# Altium PCB FPGA1.PcbDoc (part 4 of 5)
Units mm, origin at the board's own origin, x right, y up, seen from the top; angles counter-clockwise.
Board outline 170.31 x 110.11 mm, 2 copper layers (Top Layer, Bottom Layer); 219 components, 292 nets, 1138 pads, 447 vias.
Unrouted connection lines stored in the file: 389.
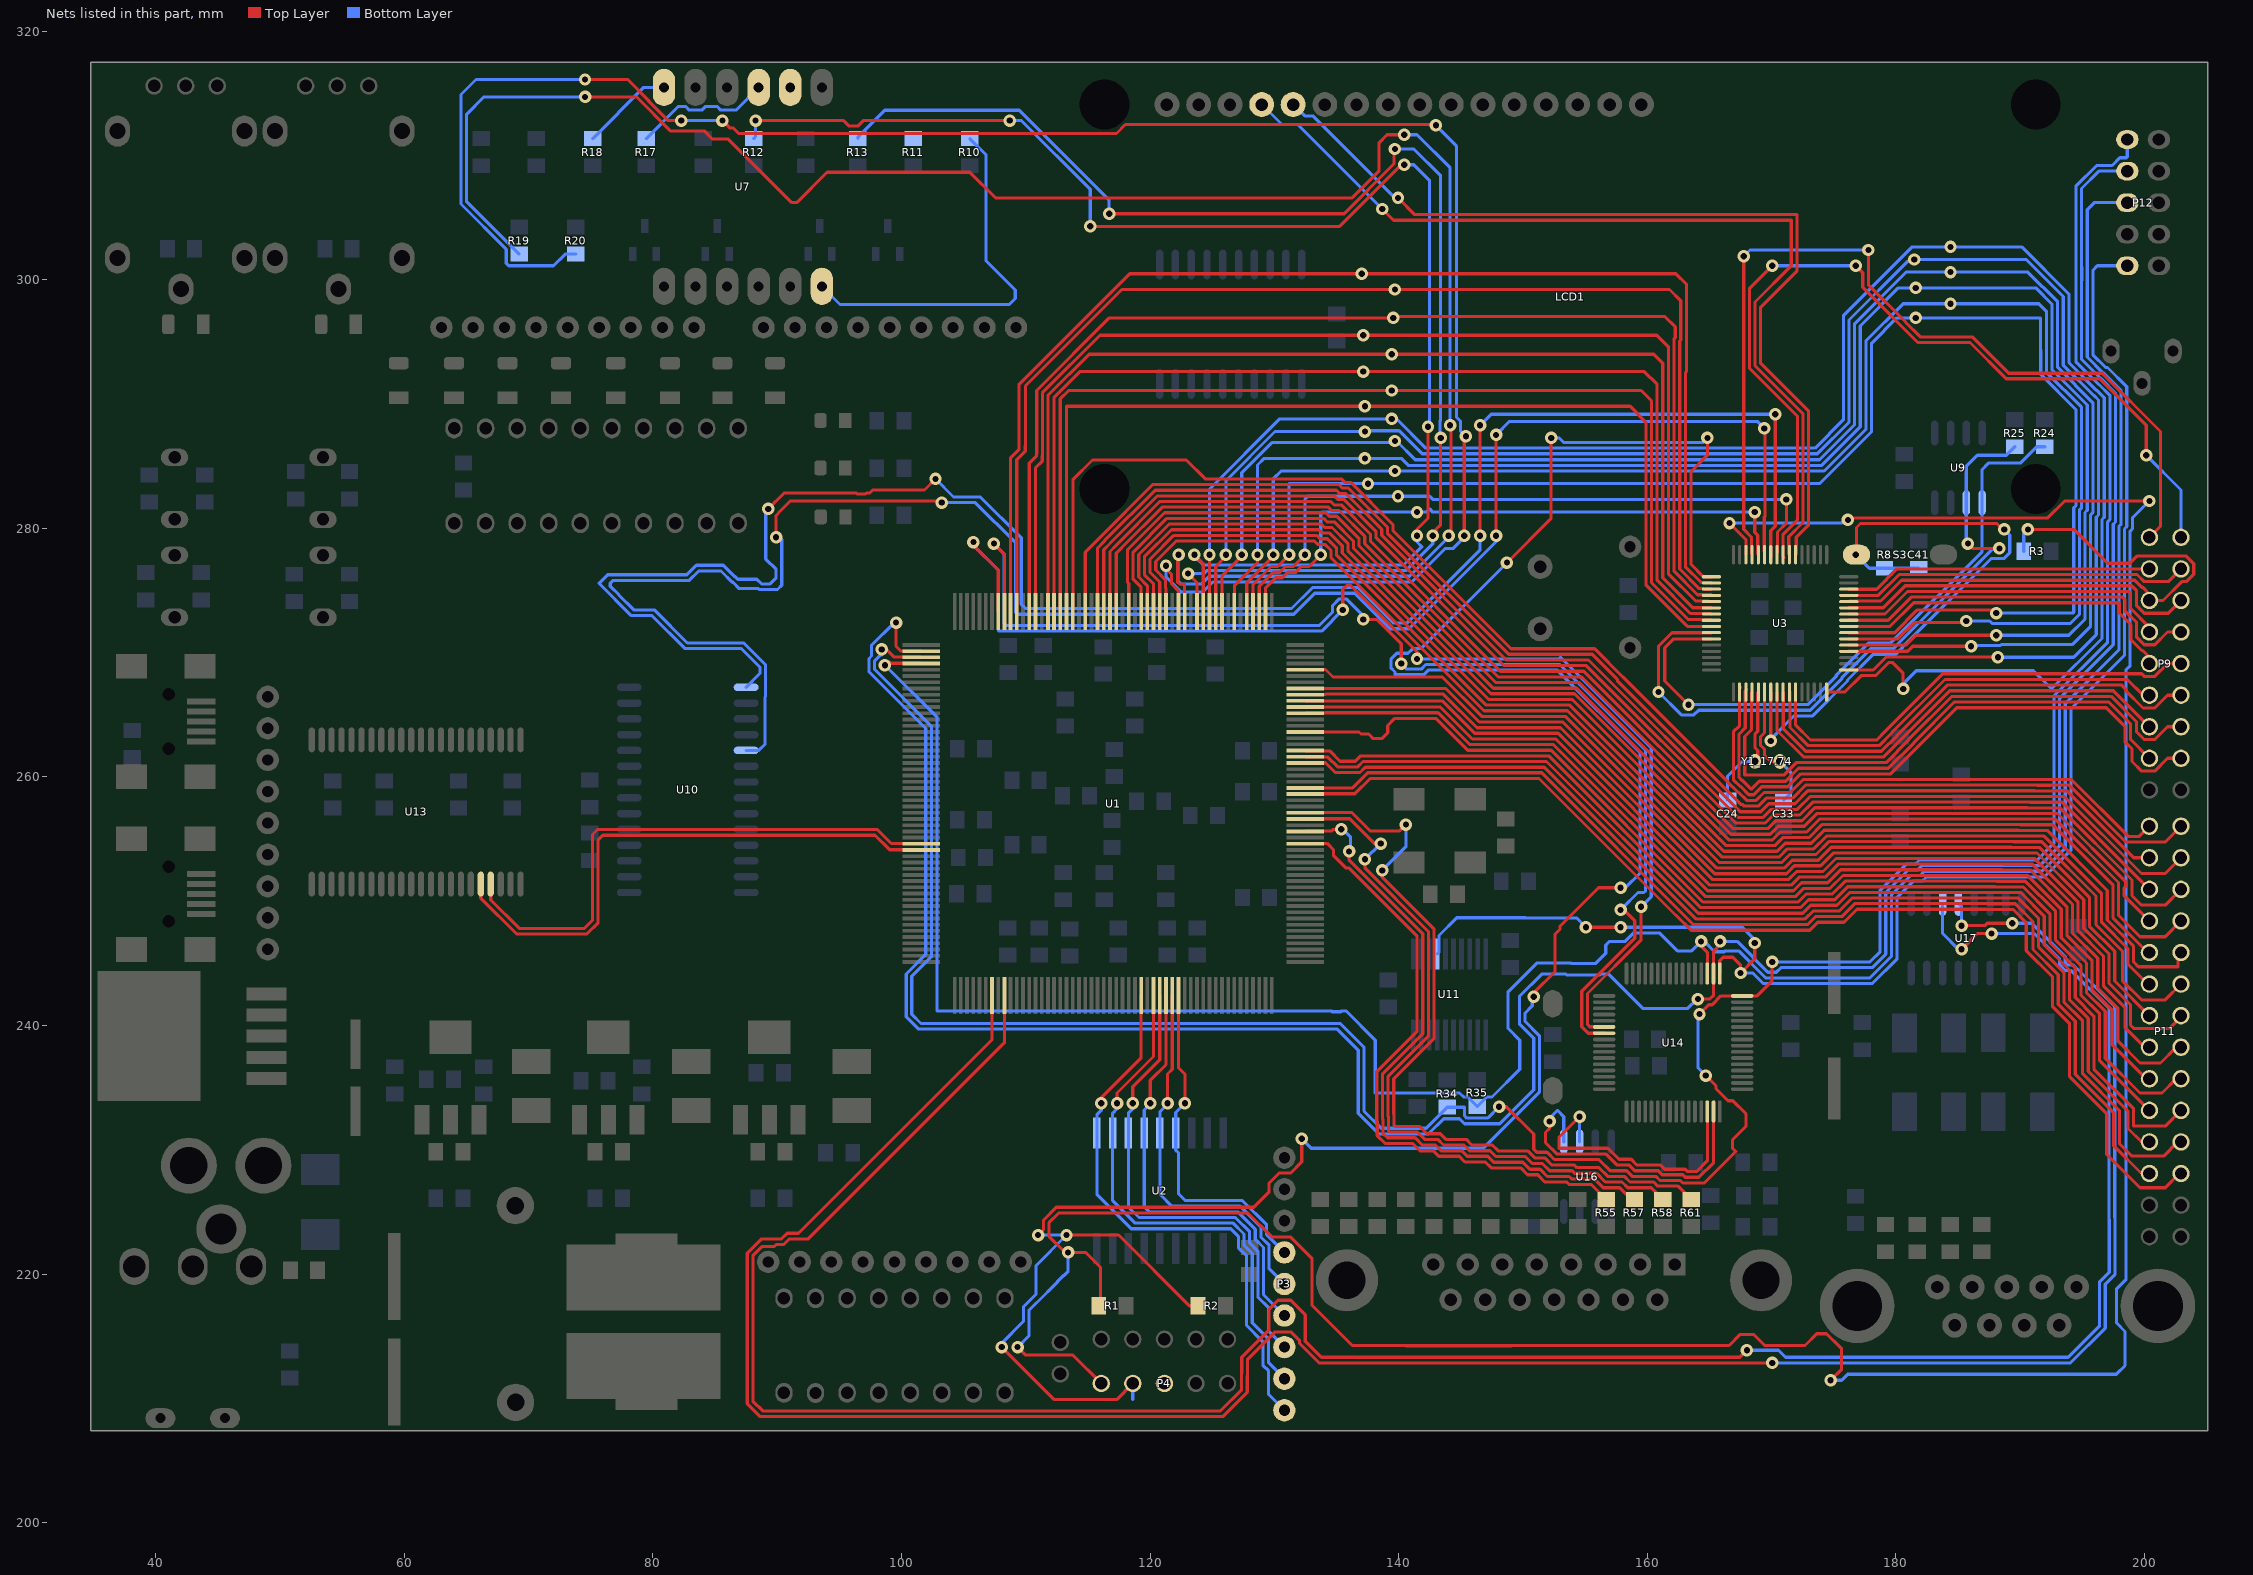
[diagram p4: the nets of this part, all layers, seen from the top]

## Via types
v1: diameter 1, hole 0.5, Top Layer to Bottom Layer, 447 vias

## Nets (pads, with @x,y where several pads share a name; then routed paths per layer and width w, separated by ;. In a path a pad name is that pad's centre, name@x,y a point inside that pad or via, vN(x,y) a via of type N, cw(c..) or ccw(c..) an arc to the next point about the centre after c; other vN are vias at no path point) (continued)
NetU14_62: U14.62 U16.2 | length 22.3
  Top Layer w0.254: v1(154.559,232.664) 152.908,231.013 152.908,230.124 156.845,230.124 157.734,229.235 158.709,229.235 159.179,228.765 161.077,228.765 161.404,228.438 163.048,228.438 163.248,228.238 163.969,228.238 164.84,229.109 U14.62@164.84,233.079
  Bottom Layer w0.254: U16.2@154.559,230.638 v1(154.559,232.664)
NetU14_63: U14.63 U16.1 | length 25
  Top Layer w0.254: v1(152.146,232.283) 152.146,231.721 151.819,231.394 151.819,230.571 152.72,229.67 156.657,229.67 157.546,228.781 158.521,228.781 158.991,228.311 160.889,228.311 161.216,227.984 162.86,227.984 163.06,227.784 164.157,227.784 165.34,228.967 U14.63@165.34,233.079
  Bottom Layer w0.254: v1(152.146,232.283) 152.146,232.537 152.781,233.172 153.289,232.664 U16.1@153.289,230.638
NRST: C41.2 P4.3 R8.1 S3.2 U3.7 | length 51.9
  Top Layer w0.254: v1@169.942,262.493 U3.7@169.942,266.826 ; S3.2@176.84,277.876 176.84,280.059 177.165,280.384 188.119,280.384 188.595,279.908 v1(188.722,279.908)
  Bottom Layer w0.254: v1(169.942,262.89) 169.942,263.033 171.812,264.903 173.305,264.903 176.114,267.712 176.114,267.794 178.176,269.856 179.993,269.856 180.524,270.388 180.524,270.423 187.658,277.557 188.684,277.557 189.168,278.041 189.168,279.462 v1(188.722,279.908) ; v1(176.784,277.876) 177.876,276.784 R8.1@179.095,276.784 C41.2@181.839,276.784
OE: U1.189 U13.41 | length 44.7
  Top Layer w0.254: U13.41@66.96,251.375 66.96,250.092 69.24,247.812 74.506,247.812 75.149,248.455 75.149,255.362 75.549,255.762 98.067,255.762 99.192,254.637 101.572,254.637 U1.189@101.595,254.614
OSC_IN: C24.2 U3.5 Y1_17.74.2 | length 10.5
  Top Layer w0.254: Y1_17.74.2@168.672,261.239 168.896,261.463 168.896,262.124 168.661,262.359 168.661,263.421 168.896,263.656 168.896,266.78 U3.5@168.942,266.826
  Bottom Layer w0.254: C24.2@166.472,258.126 166.472,260.071 167.64,261.239 Y1_17.74.2@168.672,261.239
OSC_OUT: C33.2 U3.6 Y1_17.74.1 | length 10.5
  Top Layer w0.254: U3.6@169.442,266.826 169.442,263.56 169.115,263.233 169.115,262.547 169.442,262.22 169.442,261.738 169.499,261.681 169.499,261.666 169.926,261.239 Y1_17.74.1@170.672,261.239
  Bottom Layer w0.254: Y1_17.74.1@170.672,261.239 171.577,260.334 171.577,258.736 C33.2@170.967,258.126
P1: P9.1 U3.45 | length 74.6
  Top Layer w0.254: v1(167.767,301.879) 167.767,279.915 168.396,279.286 168.396,277.922 U3.45@168.442,277.876 ; v1(177.8,302.387) 177.8,299.593 180.783,296.61 180.783,296.583 181.964,295.402 186.155,295.402 189.079,292.478 196.599,292.478 201.295,287.782 201.295,280.162 P9.1@200.406,279.273
  Bottom Layer w0.254: v1(167.767,301.879) 168.275,302.387 v1(177.8,302.387)
P2: P9.7 U3.26 | length 27.3
  Top Layer w0.254: U3.26@176.217,273.101 179.128,273.101 180.944,274.917 198.786,274.917 198.882,274.821 198.882,273.558 200.406,272.034 P9.7@200.406,271.653
P3: P9.6 U3.27 | length 29.5
  Top Layer w0.254: U3.27@176.217,273.601 178.986,273.601 180.756,275.371 198.974,275.371 199.379,274.966 199.379,273.768 199.981,273.166 201.919,273.166 P9.6@202.946,274.193
P4: P9.5 R3.2 U3.28 | length 48
  Top Layer w0.254: U3.28@176.217,274.101 176.263,274.147 178.784,274.147 180.462,275.825 199.22,275.825 199.793,275.252 199.855,275.252 200.406,274.701 P9.5@200.406,274.193 201.494,274.193 203.007,275.706 203.371,275.706 203.973,276.308 203.973,277.158 203.371,277.76 199.401,277.76 198.828,277.187 197.031,277.187 194.31,279.908 v1(190.627,279.908)
  Bottom Layer w0.254: R3.2@190.297,278.155 190.297,279.578 v1(190.627,279.908)
P5: P9.4 U3.29 | length 28.1
  Top Layer w0.254: U3.29@176.217,274.601 178.596,274.601 180.274,276.279 199.408,276.279 199.981,275.706 201.919,275.706 P9.4@202.946,276.733
P6: P9.3 U3.30 | length 24.9
  Top Layer w0.254: U3.30@176.217,275.101 178.454,275.101 180.086,276.733 P9.3@200.406,276.733
P7: P9.13 U3.8 | length 37.4
  Top Layer w0.254: U3.8@170.442,266.826 170.442,263.736 172.574,261.604 179.033,261.604 180.564,263.135 180.564,263.162 184.331,266.929 197.51,266.929 P9.13@200.406,264.033
P8: P9.12 U3.9 | length 39.2
  Top Layer w0.254: U3.9@170.942,266.826 170.942,263.878 172.762,262.058 178.845,262.058 180.11,263.323 180.11,263.35 184.143,267.383 198.18,267.383 198.501,267.062 198.501,266.932 199.887,265.546 200.831,265.546 201.858,266.573 P9.12@202.946,266.573
P9: P9.11 U3.10 | length 35.2
  Top Layer w0.254: U3.10@171.442,266.826 171.488,266.872 171.488,263.974 172.95,262.512 178.657,262.512 179.656,263.511 179.656,263.538 183.955,267.837 198.634,267.837 199.898,266.573 P9.11@200.406,266.573
P10: P9.10 U3.11 | length 36.9
  Top Layer w0.254: U3.11@171.942,266.826 171.942,264.162 173.138,262.966 178.469,262.966 179.202,263.699 179.202,263.726 183.767,268.291 199.776,268.291 199.981,268.086 200.831,268.086 201.858,269.113 P9.10@202.946,269.113
P11: P9.9 U3.24 | length 28.5
  Top Layer w0.254: U3.24@176.217,272.101 179.525,272.101 181.433,274.009 197.923,274.009 197.974,273.958 197.974,273.182 198.925,272.231 198.925,271.04 199.793,270.172 199.855,270.172 200.406,269.621 P9.9@200.406,269.113
P12: P9.8 U3.25 | length 30.7
  Top Layer w0.254: U3.25@176.217,272.601 179.383,272.601 181.245,274.463 198.247,274.463 198.428,274.282 198.428,273.37 199.379,272.419 199.379,271.228 199.981,270.626 200.831,270.626 201.858,271.653 P9.8@202.946,271.653
P13: P9.2 U3.40 | length 72.6
  Top Layer w0.254: v1(170.053,301.117) 168.221,299.285 168.221,292.895 172.082,289.034 172.082,280.658 170.94,279.516 170.94,277.736 170.99,277.686 U3.40@170.99,277.603 ; v1(176.784,301.117) 177.346,300.555 177.346,299.378 181.776,294.948 185.967,294.948 188.891,292.024 196.411,292.024 200.152,288.283 v1(200.152,285.877)
  Bottom Layer w0.254: v1(170.053,301.117) v1(176.784,301.117) ; v1(200.152,285.877) 202.946,283.083 P9.2@202.946,279.273
P14: P9.16 U3.2 | length 51
  Top Layer w0.254: U3.2@167.49,267.241 167.49,267.158 167.44,267.108 167.44,264.126 166.937,263.623 166.937,259.769 167.469,259.237 167.506,259.237 168.184,258.559 168.573,258.559 169.214,259.2 171.323,259.2 172.365,260.242 179.597,260.242 181.926,262.571 181.926,262.598 184.895,265.567 196.946,265.567 198.428,264.085 198.428,262.829 199.009,262.248 199.009,261.239 199.782,260.466 200.831,260.466 201.858,261.493 P9.16@202.946,261.493
P15: P9.15 U3.3 | length 46.3
  Top Layer w0.254: U3.3@167.99,267.099 167.99,267.016 167.894,266.92 167.894,263.938 167.391,263.435 167.391,259.957 167.657,259.691 167.694,259.691 168.372,259.013 168.385,259.013 169.026,259.654 171.135,259.654 172.177,260.696 179.409,260.696 181.472,262.759 181.472,262.786 184.707,266.021 197.134,266.021 198.882,264.273 198.882,263.017 P9.15@200.406,261.493
P16: P9.14 U3.4 | length 47
  Top Layer w0.254: U3.4@168.442,266.826 168.394,266.778 168.394,263.796 167.845,263.247 167.845,260.145 170.984,260.145 171.989,261.15 179.221,261.15 181.018,262.947 181.018,262.974 184.519,266.475 197.322,266.475 199.379,264.418 199.379,263.608 199.981,263.006 200.831,263.006 201.858,264.033 P9.14@202.946,264.033
PA2: U1.115 U3.16 | length 152.4
  Top Layer w0.254: U1.115@124.785,273.304 v1@124.785,277.82 ; U3.16@174.442,266.826 175.894,266.826 177.215,268.147 178.365,268.147 179.411,269.193 179.752,269.193 180.594,268.351 v1(180.594,267.081)
  Bottom Layer w0.254: v1@124.785,277.82 v1(124.785,277.876) 124.785,283.154 130.429,288.798 v1(139.446,288.798) 139.827,288.798 142.178,286.447 173.509,286.447 175.784,288.722 175.784,297.096 181.329,302.641 v1(184.404,302.641) 190.126,302.641 193.932,298.835 193.932,293.317 196.133,291.116 196.162,291.116 196.767,290.511 196.767,280.885 196.586,280.704 196.586,271.135 192.532,267.081 191.07,268.543 181.648,268.543 180.467,267.362 180.594,267.235 v1(180.594,267.081)
PA3: U1.114 U3.17 | length 142.8
  Top Layer w0.254: U1.114@125.285,273.304 125.285,276.923 v1@126.111,277.749 ; U3.17@176.217,268.601 178.177,268.601 179.223,269.647 188.188,269.647 v1(188.214,269.621)
  Bottom Layer w0.254: v1@126.111,277.749 v1(126.111,277.876) 126.111,283.838 130.055,287.782 v1(137.287,287.782) 137.352,287.847 140.043,287.847 141.897,285.993 173.697,285.993 176.238,288.534 176.238,296.761 180.975,301.498 181.356,301.498 v1(181.483,301.625) 190.5,301.625 193.478,298.647 193.478,293.129 195.945,290.662 195.974,290.662 196.313,290.323 196.313,281.073 196.132,280.892 196.132,271.443 194.31,269.621 v1(188.214,269.621)
PA4: U1.113 U3.20 | length 138.6
  Top Layer w0.254: U1.113@125.785,273.304 125.785,276.153 v1@127.381,277.749 ; U3.20@176.217,270.101 180.954,270.101 181.363,270.51 v1(186.055,270.51)
  Bottom Layer w0.254: v1@127.381,277.749 v1(127.381,277.876) 127.381,284.466 129.808,286.893 v1@139.573,286.893 ; v1(139.7,287.02) 139.827,287.02 141.332,285.515 173.861,285.515 176.692,288.346 176.692,296.46 180.848,300.616 184.397,300.616 v1(184.404,300.609) 190.627,300.609 193.024,298.212 193.024,292.941 195.859,290.106 195.859,281.261 195.678,281.08 195.678,272.132 194.183,270.637 188.495,270.637 188.43,270.572 186.117,270.572 v1(186.055,270.51)
PA5: U1.111 U3.21 | length 134.6
  Top Layer w0.254: U1.111@126.785,273.304 126.785,275.375 128.651,277.241 v1@128.651,277.749 ; U3.21@176.217,270.601 180.812,270.601 181.61,271.399 v1(188.087,271.399)
  Bottom Layer w0.254: v1@128.651,277.749 v1(128.651,277.876) 128.651,285.094 129.18,285.623 v1(137.287,285.623) 140.208,285.623 140.77,285.061 174.049,285.061 177.146,288.158 177.146,296.272 180.213,299.339 v1(181.61,299.339) 191.255,299.339 192.57,298.024 192.57,292.753 195.405,289.918 195.405,281.449 195.224,281.268 195.224,272.694 193.929,271.399 v1(188.087,271.399)
PA6: U1.109 U3.22 | length 129.4
  Top Layer w0.254: U1.109@127.785,273.304 127.785,275.613 v1@129.921,277.749 ; U3.22@176.217,271.101 180.169,271.101 181.483,272.415 v1@185.928,272.415
  Bottom Layer w0.254: v1@129.921,277.749 v1(129.921,277.876) 129.921,283.972 130.556,284.607 v1(139.7,284.607) 174.237,284.607 177.6,287.97 177.6,295.082 180.587,298.069 v1(184.404,298.069) 191.516,298.069 192.116,297.469 192.116,292.565 194.951,289.73 194.951,281.637 194.77,281.456 194.77,273.064 194.056,272.35 187.744,272.35 187.552,272.542 v1(185.674,272.542)
PA7: U1.108 U3.23 | length 125.9
  Top Layer w0.254: U1.108@128.285,273.304 128.285,275.471 129.736,276.922 130.264,276.922 131.091,277.749 v1@131.191,277.749 ; U3.23@176.217,271.601 179.907,271.601 181.737,273.431 187.833,273.431 v1(188.087,273.177)
  Bottom Layer w0.254: v1@131.191,277.749 v1(131.191,277.876) 131.191,283.591 v1(137.541,283.591) 173.863,283.591 178.054,287.782 178.054,294.894 180.086,296.926 v1(181.61,296.926) 191.643,296.926 191.643,294.375 191.662,294.356 191.662,292.377 194.497,289.542 194.497,281.825 194.316,281.644 194.316,273.252 194.241,273.177 v1(188.087,273.177)
PA8: U1.107 U3.41 | length 54.8
  Top Layer w0.254: U1.107@128.785,273.304 128.785,275.329 129.924,276.468 130.452,276.468 130.906,276.922 131.534,276.922 132.361,277.749 v1@132.461,277.749 ; U3.41@170.486,278.016 170.486,279.704 171.196,280.414 v1(171.196,282.321)
  Bottom Layer w0.254: v1@132.461,277.749 132.461,282.321 132.715,282.575 v1(139.954,282.575) 142.494,282.575 142.748,282.321 v1(171.196,282.321)
  other v1: 132.461,277.876
PA11: U1.106 U3.44 | length 49.5
  Top Layer w0.254: U1.106@129.285,273.304 129.285,275.187 130.112,276.014 130.64,276.014 131.094,276.468 131.722,276.468 132.176,276.922 132.804,276.922 133.731,277.849 v1(133.731,277.876) ; v1(168.656,281.305) 168.656,279.668 168.896,279.428 168.896,277.922 U3.44@168.942,277.876
  Bottom Layer w0.254: v1(133.731,277.876) 133.731,281.178 133.858,281.305 v1(141.478,281.305) 142.24,281.305 142.494,281.559 142.748,281.305 v1(168.656,281.305)
PB50: U1.147 U3.50 | length 101.7
  Top Layer w0.254: U1.147@108.785,273.304 108.785,285.662 109.474,286.351 109.474,291.592 118.364,300.482 v1(137.033,300.482) 162.306,300.482 163.16,299.628 163.16,292.602 163.071,292.513 163.071,276.908 164.33,275.649 165.119,275.649 U3.50@165.167,275.601
PB55: U1.138 U3.57 | length 83.4
  Top Layer w0.254: U1.138@113.285,273.304 113.285,289.815 v1(137.286,289.815) 158.622,289.815 159.893,288.544 159.893,275.442 163.14,272.195 163.161,272.195 163.255,272.101 U3.57@165.167,272.101
PB56: U1.139 U3.56 | length 86
  Top Layer w0.254: U1.139@112.785,273.304 112.785,290.409 113.46,291.084 v1(139.446,291.084) 159.512,291.084 160.347,290.249 160.347,275.63 163.328,272.649 164.406,272.649 164.406,272.601 U3.56@165.167,272.601
PB57: U1.140 U3.55 | length 88.3
  Top Layer w0.254: U1.140@112.285,273.304 112.285,290.551 114.342,292.608 v1(137.16,292.608) 159.766,292.608 160.801,291.573 160.801,275.818 163.472,273.147 165.121,273.147 U3.55@165.167,273.101
PC51: U1.143 U3.53 | length 93.2
  Top Layer w0.254: U1.143@110.785,273.304 110.785,284.861 111.331,285.407 111.331,285.801 111.344,285.814 111.344,290.894 115.979,295.529 v1(137.16,295.529) 160.782,295.529 161.709,294.602 161.709,276.344 163.904,274.149 164.938,274.149 164.938,274.101 U3.53@165.167,274.101
PC52: U1.144 U3.52 | length 95.7
  Top Layer w0.254: U1.144@110.285,273.304 110.285,285.236 110.877,285.828 110.877,285.989 110.89,286.002 110.89,291.082 116.734,296.926 v1(139.573,296.926) 139.681,297.034 161.417,297.034 162.252,296.199 162.252,295.341 162.163,295.252 162.163,276.532 164.048,274.647 165.167,274.647 U3.52@165.167,274.601
PC53: U1.146 U3.51 | length 99.6
  Top Layer w0.254: U1.146@109.285,273.304 109.285,285.52 109.969,286.204 109.969,286.626 109.982,286.639 109.982,291.458 117.736,299.212 v1(139.7,299.212) 161.798,299.212 162.706,298.304 162.706,295.153 162.617,295.064 162.617,276.72 164.188,275.149 164.573,275.149 164.573,275.101 U3.51@165.167,275.101
PC54: U1.141 U3.54 | length 90.7
  Top Layer w0.254: U1.141@111.785,273.304 111.785,285.613 111.798,285.626 111.798,290.706 115.097,294.005 v1(139.446,294.005) 160.528,294.005 161.255,293.278 161.255,276.006 163.66,273.601 U3.54@165.167,273.601
PP81: P11.24 U1.80 | length 93.6
  Top Layer w0.254: U1.80@132.485,258.614 132.508,258.637 136.47,258.637 137.705,259.872 151.298,259.872 162.278,248.892 162.313,248.892 163.542,247.663 173.086,247.663 173.727,248.304 175.836,248.304 176.878,249.346 187.218,249.346 187.229,249.335 189.429,249.335 190.493,248.27 190.493,246.02 192.618,243.895 192.618,241.51 193.983,240.145 193.983,235.884 196.977,232.89 196.977,229.616 199.644,226.949 201.676,226.949 202.819,228.092 P11.24@202.946,228.092
PP85: P11.23 U1.81 | length 89.9
  Top Layer w0.254: U1.81@132.485,259.114 136.305,259.114 137.517,260.326 151.521,260.326 163.73,248.117 172.898,248.117 173.539,248.758 175.648,248.758 176.69,249.8 187.406,249.8 187.417,249.789 189.617,249.789 191.04,248.366 191.04,246.115 193.072,244.083 193.072,241.698 194.437,240.333 194.437,236.072 197.539,232.97 197.539,230.317 199.764,228.092 P11.23@200.406,228.092
PP86: P11.22 U1.85 | length 92.6
  Top Layer w0.254: U1.85@132.485,261.114 132.508,261.137 134.12,261.137 134.907,260.35 136.899,260.35 137.329,260.78 151.709,260.78 163.918,248.571 172.71,248.571 173.351,249.212 175.46,249.212 176.502,250.254 187.594,250.254 187.605,250.243 189.861,250.243 191.494,248.61 191.494,246.303 193.526,244.271 193.526,241.886 195.034,240.378 195.034,236.117 197.993,233.158 197.993,230.505 199.009,229.489 201.549,229.489 202.692,230.632 P11.22@202.946,230.632
PP87: P11.21 U1.86 | length 88.6
  Top Layer w0.254: U1.86@132.485,261.614 132.508,261.591 134.308,261.591 135.095,260.804 136.711,260.804 137.141,261.234 151.897,261.234 164.106,249.025 172.522,249.025 173.163,249.666 175.272,249.666 176.314,250.708 187.782,250.708 187.793,250.697 190.049,250.697 191.948,248.798 191.948,246.491 193.98,244.459 193.98,242.075 195.488,240.567 195.488,236.305 198.682,233.111 198.682,231.714 199.764,230.632 P11.21@200.406,230.632
PP90: P11.20 U1.87 | length 91.3
  Top Layer w0.254: U1.87@132.485,262.114 132.508,262.091 134.451,262.091 135.284,261.258 136.523,261.258 136.953,261.688 152.085,261.688 164.294,249.479 172.334,249.479 172.975,250.12 175.084,250.12 176.126,251.162 187.97,251.162 187.981,251.151 190.238,251.151 192.402,248.987 192.402,246.679 194.434,244.647 194.434,242.263 195.942,240.755 195.942,236.493 199.136,233.299 199.136,231.902 201.676,231.902 P11.20@202.946,233.172
PP93: P11.19 U1.90 | length 88.6
  Top Layer w0.254: U1.90@132.485,263.614 136.81,263.614 136.972,263.452 137.587,263.452 137.96,263.079 138.646,263.079 139.13,263.563 139.13,264.136 139.7,264.706 142.992,264.706 145.556,262.142 152.273,262.142 164.482,249.933 172.146,249.933 172.787,250.574 174.896,250.574 175.938,251.616 188.159,251.616 188.17,251.605 190.426,251.605 192.856,249.175 192.856,246.867 194.888,244.835 194.888,242.451 196.396,240.943 196.396,237.175 200.399,233.172 P11.19@200.406,233.172
PP94: P11.18 U1.93 | length 90
  Top Layer w0.254: U1.93@132.485,265.114 132.508,265.137 134.12,265.137 134.143,265.16 143.18,265.16 145.744,262.596 152.461,262.596 164.67,250.387 171.957,250.387 172.598,251.028 174.708,251.028 175.75,252.07 188.347,252.07 188.358,252.059 190.614,252.059 193.31,249.363 193.31,247.055 195.342,245.023 195.342,242.639 196.85,241.131 196.85,237.363 199.644,234.569 201.422,234.569 202.565,235.712 P11.18@202.946,235.712
PP95: P11.17 U1.94 | length 86.1
  Top Layer w0.254: U1.94@132.485,265.614 143.368,265.614 145.932,263.05 152.649,263.05 164.858,250.841 171.769,250.841 172.41,251.482 174.52,251.482 175.562,252.524 188.535,252.524 188.546,252.513 190.802,252.513 193.764,249.551 193.764,247.244 195.796,245.212 195.796,242.827 197.412,241.211 197.412,238.452 200.152,235.712 P11.17@200.406,235.712
PP96: P11.16 U1.95 | length 88.7
  Top Layer w0.254: U1.95@132.485,266.114 132.491,266.108 142.324,266.108 142.33,266.114 143.51,266.114 146.12,263.504 152.837,263.504 165.046,251.295 171.581,251.295 172.222,251.936 174.332,251.936 175.374,252.978 188.723,252.978 188.734,252.967 190.99,252.967 194.218,249.739 194.218,247.432 196.25,245.4 196.25,243.015 197.866,241.399 197.866,238.76 199.644,236.982 201.295,236.982 202.565,238.252 P11.16@202.946,238.252
PP97: P11.15 U1.96 | length 84.8
  Top Layer w0.254: U1.96@132.485,266.614 132.508,266.637 134.12,266.637 134.143,266.66 143.606,266.66 146.308,263.958 153.025,263.958 165.234,251.749 171.393,251.749 172.034,252.39 174.144,252.39 175.186,253.432 188.911,253.432 188.922,253.421 191.178,253.421 194.672,249.927 194.672,247.62 196.704,245.588 196.704,243.203 198.428,241.479 198.428,239.842 200.018,238.252 P11.15@200.406,238.252
PP100: P11.14 U1.97 | length 87.4
  Top Layer w0.254: U1.97@132.485,267.114 143.795,267.114 146.497,264.412 153.213,264.412 165.422,252.203 171.205,252.203 171.846,252.844 173.956,252.844 174.998,253.886 189.099,253.886 189.11,253.875 191.366,253.875 195.126,250.115 195.126,247.808 197.158,245.776 197.158,243.391 198.882,241.667 198.882,240.03 199.147,239.765 202.046,239.765 202.946,240.665 P11.14@202.946,240.792
PP122: P11.13 U1.100 | length 83.6
  Top Layer w0.254: U1.100@132.485,268.614 132.508,268.637 134.12,268.637 134.725,268.032 143.519,268.032 146.685,264.866 153.401,264.866 165.61,252.657 171.017,252.657 171.658,253.298 173.768,253.298 174.81,254.34 189.287,254.34 189.298,254.329 191.554,254.329 195.58,250.303 195.58,247.996 197.612,245.964 197.612,243.579 200.399,240.792 P11.13@200.406,240.792
PP123: P11.12 U1.122 | length 107.8
  Top Layer w0.254: U1.122@121.285,273.304 121.285,275.209 121.239,275.255 121.239,275.863 120.458,276.644 120.458,277.33 122.106,278.978 133.215,278.978 133.49,278.703 134.074,278.703 134.558,278.219 134.558,277.635 146.873,265.32 153.59,265.32 165.799,253.111 170.829,253.111 171.47,253.752 173.58,253.752 174.622,254.794 189.475,254.794 189.486,254.783 191.742,254.783 196.104,250.421 196.104,248.114 198.228,245.99 198.228,243.605 199.771,242.062 201.676,242.062 P11.12@202.946,243.332
PP124: P11.11 U1.123 | length 104.5
  Top Layer w0.254: U1.123@120.785,273.304 120.785,275.675 120.004,276.456 120.004,277.518 121.918,279.432 133.403,279.432 133.678,279.157 134.262,279.157 135.012,278.407 135.012,277.823 147.061,265.774 153.778,265.774 165.987,253.565 170.641,253.565 171.282,254.206 173.392,254.206 174.434,255.248 189.663,255.248 189.674,255.237 191.93,255.237 196.558,250.609 196.558,248.302 198.682,246.178 198.682,244.922 200.272,243.332 P11.11@200.406,243.332
PP125: P11.10 U1.124 | length 108.4
  Top Layer w0.254: U1.124@120.285,273.304 120.285,275.533 119.55,276.268 119.55,277.706 121.73,279.886 133.591,279.886 133.866,279.611 134.45,279.611 135.466,278.595 135.466,278.011 147.249,266.228 153.966,266.228 166.175,254.019 170.453,254.019 171.094,254.66 173.204,254.66 174.246,255.702 189.851,255.702 189.862,255.691 192.184,255.691 197.012,250.863 197.012,248.49 199.136,246.366 199.136,245.11 199.517,244.729 202.692,244.729 202.692,245.618 P11.10@202.946,245.872
PP126: P11.9 U1.125 | length 104.8
  Top Layer w0.254: U1.125@119.785,273.304 119.785,275.391 119.096,276.08 119.096,277.894 121.542,280.34 133.779,280.34 134.054,280.065 134.638,280.065 135.92,278.783 135.92,278.199 147.437,266.682 154.154,266.682 166.363,254.473 170.265,254.473 170.906,255.114 173.016,255.114 174.058,256.156 190.039,256.156 190.05,256.145 192.638,256.145 197.466,251.317 197.466,248.678 200.272,245.872 P11.9@200.406,245.872
PP128: P11.8 U1.126 | length 108.2
  Top Layer w0.254: U1.126@119.285,273.304 119.285,275.249 118.642,275.892 118.642,278.082 121.354,280.794 133.967,280.794 134.242,280.519 134.826,280.519 136.374,278.971 136.374,278.387 147.625,267.136 154.342,267.136 166.551,254.927 170.077,254.927 170.718,255.568 172.827,255.568 173.869,256.61 190.227,256.61 190.238,256.599 192.826,256.599 197.92,251.505 197.92,248.866 199.644,247.142 201.676,247.142 P11.8@202.946,248.412
PP130: P11.7 U1.128 | length 104.6
  Top Layer w0.254: U1.128@118.285,273.304 118.285,275.542 118.188,275.639 118.188,278.27 121.166,281.248 134.155,281.248 134.43,280.973 135.014,280.973 136.828,279.159 136.828,278.575 147.813,267.59 154.53,267.59 166.739,255.381 169.889,255.381 170.53,256.022 172.639,256.022 173.681,257.064 190.415,257.064 190.426,257.053 193.014,257.053 198.496,251.57 198.496,251.194 198.374,251.072 198.374,250.437 200.399,248.412 P11.7@200.406,248.412
PP131: P11.6 U1.130 | length 108.2
  Top Layer w0.254: U1.130@117.285,273.304 117.285,277.992 117.734,278.441 117.734,278.458 120.978,281.702 134.343,281.702 134.618,281.427 135.202,281.427 137.282,279.347 137.282,278.763 148.001,268.044 154.718,268.044 166.927,255.835 169.701,255.835 170.342,256.476 172.451,256.476 173.493,257.518 190.603,257.518 190.614,257.507 193.18,257.507 193.191,257.518 199.009,251.7 199.009,250.444 199.771,249.682 201.676,249.682 P11.6@202.946,250.952
PP132: P11.5 U1.131 | length 104.8
  Top Layer w0.254: U1.131@116.785,273.304 116.785,278.134 117.28,278.629 117.28,278.646 120.79,282.156 134.531,282.156 134.806,281.881 135.39,281.881 137.736,279.535 137.736,278.951 148.189,268.498 154.906,268.498 167.115,256.289 169.513,256.289 170.154,256.93 172.263,256.93 173.305,257.972 190.791,257.972 190.802,257.961 192.992,257.961 193.003,257.972 193.379,257.972 200.399,250.952 P11.5@200.406,250.952
PP133: P11.4 U1.132 | length 108.2
  Top Layer w0.254: U1.132@116.285,273.304 116.285,278.276 116.826,278.817 116.826,278.834 120.602,282.61 134.818,282.61 135.093,282.335 135.578,282.335 138.19,279.723 138.19,279.238 148.476,268.952 155.094,268.952 167.303,256.743 169.325,256.743 169.966,257.384 172.075,257.384 173.117,258.426 190.979,258.426 190.99,258.415 192.804,258.415 192.815,258.426 193.567,258.426 199.771,252.222 201.676,252.222 P11.4@202.946,253.492
PP135: P11.3 U1.133 | length 105.6
  Top Layer w0.254: U1.133@115.785,273.304 115.785,278.418 116.372,279.005 116.372,279.022 120.414,283.064 135.006,283.064 135.281,282.789 135.766,282.789 138.644,279.911 138.644,279.426 148.664,269.406 155.282,269.406 167.491,257.197 169.137,257.197 169.778,257.838 171.887,257.838 172.929,258.88 191.167,258.88 191.178,258.869 192.616,258.869 192.627,258.88 193.755,258.88 199.143,253.492 P11.3@200.406,253.492
PP147: P11.2 U1.135 | length 109.4
  Top Layer w0.254: U1.135@114.785,273.304 114.785,278.06 115.918,279.193 115.918,279.21 120.226,283.518 135.194,283.518 135.469,283.243 135.954,283.243 139.098,280.099 139.098,279.614 148.852,269.86 155.583,269.86 157.603,267.839 157.603,267.727 167.558,257.772 167.687,257.772 167.808,257.651 168.949,257.651 169.59,258.292 171.699,258.292 172.741,259.334 191.355,259.334 191.366,259.323 192.428,259.323 192.439,259.334 193.943,259.334 198.515,254.762 201.676,254.762 P11.2@202.946,256.032
PP148: P11.1 U1.137 | length 112.4
  Top Layer w0.254: U1.137@113.794,273.336 113.794,277.331 113.792,277.333 113.792,283.911 115.373,285.492 122.917,285.492 124.437,283.972 135.382,283.972 135.657,283.697 136.142,283.697 139.552,280.287 139.552,279.802 149.04,270.314 155.771,270.314 158.057,268.028 158.073,268.028 166.483,259.618 166.483,259.581 167.281,258.783 167.318,258.783 167.996,258.105 168.761,258.105 169.402,258.746 171.511,258.746 172.553,259.788 191.543,259.788 191.554,259.777 192.24,259.777 192.251,259.788 194.131,259.788 198.703,255.216 199.59,255.216 P11.1@200.406,256.032
RED0: R61.2 U1.77 | length 63.4
  Top Layer w0.254: U1.77@132.485,257.114 132.508,257.137 136.198,257.137 136.207,257.146 137.702,255.651 140.081,255.651 v1(140.589,256.159) ; v1(138.684,252.476) 138.684,251.92 142.854,247.75 142.854,238.958 139.608,235.711 139.608,232.882 139.644,232.845 139.644,231.958 139.732,231.87 141.708,231.87 142.289,231.289 143.348,231.289 143.802,230.835 145.446,230.835 145.9,230.381 147.544,230.381 148.017,229.908 150.377,229.908 150.939,229.346 151.76,229.346 152.344,228.762 154.15,228.762 154.347,228.565 156.119,228.565 156.827,227.857 158.161,227.857 158.615,227.403 160.513,227.403 160.84,227.076 162.484,227.076 R61.2@163.551,226.009
  Bottom Layer w0.254: v1(138.684,252.476) 140.589,254.381 v1(140.589,256.159)
RED1: R58.2 U1.76 | length 58.6
  Top Layer w0.254: U1.76@132.485,256.614 132.508,256.637 136.056,256.637 136.065,256.646 138.076,254.635 v1(138.557,254.635) ; v1(137.287,253.365) 137.287,252.675 142.4,247.562 142.4,239.146 139.154,235.899 139.154,232.694 139.19,232.657 139.19,231.525 139.299,231.416 141.519,231.416 142.1,230.835 143.16,230.835 143.614,230.381 145.258,230.381 145.712,229.927 147.356,229.927 147.829,229.454 150.189,229.454 150.751,228.892 151.572,228.892 152.156,228.308 153.962,228.308 154.159,228.111 155.931,228.111 156.639,227.403 157.973,227.403 158.427,226.949 160.325,226.949 R58.2@161.265,226.009
  Bottom Layer w0.254: v1(137.287,253.365) v1(138.557,254.635) v1@138.303,254.635
RED2: R57.2 U1.74 | length 54.6
  Top Layer w0.254: U1.74@132.485,255.614 132.508,255.637 134.606,255.637 134.747,255.778 v1(135.382,255.778) ; v1(136.017,254) 136.017,253.303 141.946,247.374 141.946,239.334 138.7,236.087 138.7,232.506 138.736,232.469 138.736,231.329 139.103,230.962 141.331,230.962 141.912,230.381 142.972,230.381 143.426,229.927 145.07,229.927 145.524,229.473 147.168,229.473 147.641,229 150.001,229 150.563,228.438 151.384,228.438 151.968,227.854 153.719,227.854 153.916,227.657 155.743,227.657 156.451,226.949 157.785,226.949 158.725,226.009 R57.2@158.979,226.009
  Bottom Layer w0.254: v1(135.382,255.778) 135.509,255.778 136.144,255.143 136.144,254.254 136.398,254 v1(136.017,254)
RED3: R55.2 U1.72 | length 50.3
  Top Layer w0.254: U1.72@132.485,254.614 132.508,254.637 134.239,254.637 134.248,254.646 134.775,254.119 134.775,253.64 135.738,252.677 136.001,252.677 141.492,247.186 141.492,239.522 138.246,236.275 138.246,232.318 138.282,232.281 138.282,231.141 138.915,230.508 141.143,230.508 141.724,229.927 142.784,229.927 143.238,229.473 144.882,229.473 145.336,229.019 146.98,229.019 147.453,228.546 149.813,228.546 150.375,227.984 151.196,227.984 151.78,227.4 153.531,227.4 153.728,227.203 155.499,227.203 R55.2@156.693,226.009
REL_1: P3.5 U1.36 U2.5 | length 31
  Top Layer w0.254: v1(121.412,233.736) 121.412,236.093 121.785,236.466 U1.36@121.785,242.411
  Bottom Layer w0.254: v1(121.412,233.736) 121.412,233.68 120.802,233.07 U2.5@120.802,231.347 120.802,226.416 121.758,225.46 127.247,225.46 128.924,223.783 128.924,222.986 129.583,222.327 129.583,220.429 P3.5@130.81,219.202
REL_2: P3.6 U1.37 U2.6 | length 27.5
  Top Layer w0.254: U1.37@122.285,242.411 122.285,236.617 122.809,236.093 v1(122.809,233.736)
  Bottom Layer w0.254: v1(122.809,233.736) 122.072,232.999 U2.6@122.072,231.347 122.072,229.972 122.301,229.743 122.301,226.441 122.828,225.914 127.435,225.914 129.378,223.971 129.378,223.174 P3.6@130.81,221.742
RS: LCD1.4 U3.39 | length 76.7
  Top Layer w0.254: v1(138.684,305.689) 139.592,304.781 171.588,304.781 171.588,301.117 168.675,298.204 168.675,293.083 172.536,289.222 172.536,280.469 171.394,279.327 171.394,277.924 U3.39@171.442,277.876
  Bottom Layer w0.254: LCD1.4@128.987,314.09 129.013,314.09 130.619,312.483 131.889,312.483 v1(138.684,305.689)
RW: LCD1.5 U3.38 | length 74.8
  Top Layer w0.254: v1(139.954,306.578) 141.297,305.235 172.042,305.235 172.042,300.693 169.129,297.78 169.129,293.271 172.99,289.41 172.99,280.281 171.99,279.281 171.99,277.924 U3.38@171.942,277.876
  Bottom Layer w0.254: LCD1.5@131.512,314.09 131.553,314.09 132.461,313.182 133.093,313.182 139.697,306.578 v1(139.954,306.578)
RX_232: U1.7 U17.12 | length 202.1
  Top Layer w0.254: U1.7@107.285,242.411 107.285,238.85 91.72,223.285 90.81,223.285 90.356,222.831 88.755,222.831 87.6,221.676 87.6,209.58 88.646,208.534 125.857,208.534 127.824,210.501 127.824,211.798 127.835,211.809 127.835,213.118 130.066,215.349 131.318,215.349 132.037,214.63 132.037,214.412 133.597,212.852 v1(170.053,212.852) ; v1@185.547,248.031 187.171,248.031 187.363,248.223 v1(189.371,248.223)
  Bottom Layer w0.254: v1(170.053,212.852) 194.056,212.852 196.855,215.651 196.855,219.191 197.623,219.959 197.623,224.556 197.617,224.562 197.617,241.549 194.297,244.869 193.83,244.869 193.639,245.06 193.639,245.527 190.943,248.223 v1(189.371,248.223) ; U17.12@185.039,249.815 185.293,249.561 v1(185.293,248.031)
RXD0(PA9): U3.42 U10.1 | length 155.1
  Top Layer w0.254: v1(89.281,281.559) 90.551,282.829 96.366,282.829 96.431,282.764 97.117,282.764 97.182,282.829 97.436,282.829 97.69,283.083 101.854,283.083 v1(102.743,283.972) ; v1(146.558,279.4) v1(146.558,288.29) ; U3.42@169.94,277.736 169.94,279.8 170.307,280.167 v1(170.307,289.179)
  Bottom Layer w0.254: U10.1@87.504,267.208 88.61,268.314 88.61,268.839 87.134,270.315 82.597,270.315 79.935,272.977 78.271,272.977 75.692,275.556 75.692,275.579 76.378,276.265 82.745,276.265 83.502,277.022 85.676,277.022 86.589,276.109 86.637,276.109 86.848,275.898 88.375,275.898 88.748,275.525 89.433,275.525 89.918,276.009 89.918,276.695 89.089,277.523 89.089,281.367 v1(89.281,281.559) ; v1(102.743,283.972) 104.194,282.521 106.353,282.521 109.639,279.235 109.639,273.901 109.998,273.542 131.384,273.542 133.07,275.228 136.76,275.228 139.616,272.372 140.652,272.372 146.558,278.278 v1@146.558,279.273 ; v1(146.558,288.29) 147.447,289.179 v1(170.307,289.179)
RXD_FT2232/MPSSE_TDI: U1.148 U14.39 | length 99.9
  Top Layer w0.254: v1(107.442,278.765) 108.285,277.922 U1.148@108.285,273.304 ; v1(137.16,272.669) 138.24,272.669 140.208,270.701 v1(140.208,269.113) ; U14.39@156.54,239.379 155.256,239.379 154.74,239.895 154.74,242.758 159.004,247.022 159.004,248.412 157.988,249.428 v1@157.988,249.555
  Bottom Layer w0.254: v1(107.442,278.765) 108.277,277.93 108.277,272.361 108.458,272.18 133.616,272.18 134.682,273.246 134.682,273.774 135.228,274.32 135.79,274.32 137.441,272.669 v1(137.16,272.669) ; v1(140.208,269.113) 140.654,268.667 141.821,268.667 142.194,269.04 152.967,269.04 159.874,262.133 159.874,250.825 159.747,250.698 159.258,250.698 v1@157.988,249.428
  other v1: 157.861,249.301
S1: R10.1 U7.12 | length 30.7
  Bottom Layer w0.254: U7.12@93.599,299.466 95.061,298.004 108.674,298.004 109.158,298.488 109.158,299.174 106.807,301.525 106.807,310.058 R10.1@105.512,311.353
S2: R11.1 U7.5
S3: R17.1 U7.4 | length 11.2
  Bottom Layer w0.254: R17.1@79.477,311.353 82.067,313.944 82.628,313.944 82.931,313.641 83.947,313.641 84.25,313.944 85.168,313.944 85.471,313.641 86.692,313.641 U7.4@88.519,315.468
S4: R18.1 U7.1 | length 7.4
  Bottom Layer w0.254: R18.1@75.159,311.353 79.273,315.468 U7.1@80.899,315.468
SCL: R25.2 U3.58 U9.6 | length 55.7
  Top Layer w0.254: v1(160.909,266.827) 160.909,270.51 162,271.601 U3.58@165.167,271.601 ; v1(185.801,278.765) 186.182,278.384 v1(188.341,278.384)
  Bottom Layer w0.254: v1(160.909,266.827) 162.752,264.984 163.761,264.984 164.134,265.357 173.116,265.357 175.66,267.901 175.66,267.982 177.988,270.31 179.804,270.31 180.07,270.576 180.07,270.611 187.843,278.384 v1(188.341,278.384) ; v1(185.801,278.765) 185.674,278.892 U9.6@185.674,282.061 185.674,284.988 186.563,285.877 188.9,285.877 R25.2@189.586,286.563
SDA: R24.2 U3.59 U9.5 | length 50.3
  Top Layer w0.254: v1(163.322,265.811) 161.417,267.716 161.417,270.376 162.142,271.101 U3.59@165.167,271.101
  Bottom Layer w0.254: v1@163.576,265.811 172.928,265.811 175.206,268.089 175.206,268.17 177.8,270.764 179.616,270.764 ; 179.643,270.826 186.944,278.127 U9.5@186.944,282.061 186.944,284.734 187.452,285.242 190.027,285.242 191.348,286.563 R24.2@191.999,286.563
SO1: R12.1 U1.116 | length 118.3
  Top Layer w0.254: v1(88.265,312.801) 95.35,312.801 95.796,312.355 96.482,312.355 96.928,312.801 v1(108.712,312.801) ; v1@114.935,304.292 v1(115.189,304.292) 135.255,304.292 140.205,309.242 v1(140.462,309.242) ; v1@123.571,277.749 123.698,277.749 123.958,277.489 123.958,277.477 124.285,277.15 U1.116@124.285,273.304 ; v1@141.478,279.273 141.478,279.908 142.367,280.797 v1(142.367,288.163)
  Bottom Layer w0.254: R12.1@88.113,311.353 88.265,311.506 v1(88.265,312.801) ; v1(108.712,312.801) 109.662,312.801 115.189,307.274 v1(115.189,304.292) ; v1@123.571,277.749 124.276,277.044 140.392,277.044 141.859,278.511 141.478,278.892 v1@141.478,279.273 ; v1(140.462,309.242) 141.227,309.242 142.497,307.972 142.497,288.166 142.494,288.163 v1(142.367,288.163)
  other v1: 123.571,277.876 141.478,279.4
SO2: R13.1 U1.117 | length 109.8
  Top Layer w0.254: v1(116.713,305.308) 135.629,305.308 139.635,309.314 139.635,310.45 v1(139.7,310.515) ; v1(123.063,276.352) 123.785,275.63 U1.117@123.785,273.304 ; v1@142.748,279.273 142.999,279.273 142.999,279.905 143.383,280.289 v1(143.383,287.274)
  Bottom Layer w0.254: R13.1@96.495,311.353 96.495,311.46 98.663,313.628 109.477,313.628 116.713,306.392 v1(116.713,305.308) ; v1(123.063,276.352) 124.326,276.352 124.564,276.59 140.58,276.59 142.748,278.758 v1@142.748,279.273 ; v1(139.7,310.515) 141.224,310.515 143.383,308.356 143.383,288.698 143.318,288.633 143.318,287.339 v1(143.383,287.274)
  other v1: 142.748,279.4
SO3: R19.1 U1.119 | length 163.1
  Top Layer w0.254: v1(74.549,314.706) 78.684,314.706 81.416,311.974 84.132,311.974 84.797,311.309 86.074,311.309 91.186,306.197 91.567,306.197 94.016,308.646 105.501,308.646 107.569,306.578 136.257,306.578 138.43,308.751 138.43,311.023 139.065,311.658 v1(140.462,311.658) ; v1(122.301,277.876) 122.236,277.811 122.236,275.662 122.373,275.525 122.747,275.525 122.785,275.487 U1.119@122.785,273.304 ; v1@144.018,279.273 144.21,279.465 144.21,288.225 v1(144.145,288.29)
  Bottom Layer w0.254: R19.1@69.24,302.057 65.024,306.273 65.024,313.309 66.421,314.706 v1(74.549,314.706) ; v1(122.301,277.876) 122.236,277.811 122.236,275.782 122.493,275.525 124.206,275.525 124.206,275.59 124.752,276.136 140.881,276.136 v1@144.018,279.273 ; v1(140.462,311.658) 141.478,311.658 144.145,308.991 v1(144.145,288.29)
  other v1: 144.018,279.4
SO4: R20.1 U1.120 | length 168
  Top Layer w0.254: v1(74.542,316.103) 77.978,316.103 79.672,314.409 79.672,314.36 81.231,312.801 v1(82.296,312.801) ; v1(85.598,312.801) 86.182,312.217 86.45,312.217 86.904,311.763 117.301,311.763 118.023,312.485 142.937,312.485 v1(143.002,312.42) ; v1(121.285,276.987) 121.285,276.74 121.739,276.286 121.739,275.517 122.285,274.971 U1.120@122.285,273.304 ; v1@145.288,279.273 145.288,287.274 v1(145.415,287.401)
  Bottom Layer w0.254: R20.1@73.812,302.057 72.949,302.057 72.009,301.117 68.418,301.117 68.213,301.321 68.213,302.442 64.57,306.085 64.57,314.894 65.779,316.103 v1(74.542,316.103) ; v1(82.296,312.801) v1(85.598,312.801) ; v1(121.285,276.987) 121.285,276.091 122.494,274.882 124.26,274.882 125.06,275.682 141.069,275.682 143.771,278.384 144.399,278.384 v1@145.288,279.273 ; v1@142.748,312.42 v1(143.002,312.42) 144.653,310.769 144.653,288.952 144.972,288.633 144.972,287.844 v1(145.415,287.401)
  other v1: 145.288,279.4
STEP_1: P3.1 U1.31 U2.1 | length 45.8
  Top Layer w0.254: v1(116.078,233.736) 116.078,234.188 119.285,237.395 U1.31@119.285,242.411
  Bottom Layer w0.254: v1(116.078,233.736) 116.078,233.172 115.722,232.816 U2.1@115.722,231.347 115.722,226.416 118.494,223.644 126.495,223.644 127.108,223.031 127.108,222.128 127.767,221.469 127.767,215.881 129.086,214.562 129.086,212.664 129.54,212.21 129.54,210.312 P3.1@130.81,209.042
STEP_2: P3.2 U1.33 U2.2 | length 42.5
  Top Layer w0.254: v1(117.348,233.736) 117.348,234.569 120.285,237.506 U1.33@120.285,242.411
  Bottom Layer w0.254: v1(117.348,233.736) 117.348,233.299 116.992,232.943 U2.2@116.992,231.347 116.992,225.908 118.802,224.098 126.683,224.098 127.562,223.219 127.562,222.316 128.221,221.657 128.221,216.069 129.54,214.75 129.54,212.852 P3.2@130.81,211.582
STEP_3: P3.3 U1.34 U2.3 | length 39.1
  Top Layer w0.254: v1(118.618,233.736) 118.618,235.077 120.785,237.244 U1.34@120.785,242.411
  Bottom Layer w0.254: v1(118.618,233.736) 118.618,233.299 118.262,232.943 U2.3@118.262,231.347 118.262,225.4 119.11,224.552 126.871,224.552 128.016,223.407 128.016,222.504 128.675,221.845 128.675,218.155 129.54,217.29 129.54,215.392 P3.3@130.81,214.122
STEP_4: P3.4 U1.35 U2.4 | length 35.3
  Top Layer w0.254: v1(120.015,233.736) 120.015,235.585 121.285,236.855 U1.35@121.285,242.411
  Bottom Layer w0.254: v1(120.015,233.736) 120.015,233.68 119.532,233.197 U2.4@119.532,231.347 119.532,225.4 119.926,225.006 127.059,225.006 128.47,223.595 128.47,222.798 129.129,222.139 129.129,218.343 P3.4@130.81,216.662
SWCLK: P4.2 R2.1 U3.49 | length 195.4
  Top Layer w0.254: v1(108.077,214.122) 112.303,209.896 117.313,209.896 P4.2@118.618,211.201 ; v1(110.998,223.139) 111.433,223.574 111.433,224.343 112.461,225.371 128.343,225.371 129.583,226.611 129.583,227.33 130.388,228.135 131.318,228.135 132.207,229.024 v1(132.207,230.886) ; v1(113.284,223.139) 117.475,223.139 123.165,217.449 R2.1@123.876,217.449 ; v1(148.717,277.241) 152.273,280.797 v1(152.273,287.274) ; v1(150.876,242.316) 150.876,242.633 152.589,244.346 152.589,247.358 152.981,247.75 152.981,247.977 156.083,251.079 v1(157.861,251.079) ; v1(164.846,287.274) 164.846,285.877 163.525,284.556 163.525,277.096 164.518,276.103 U3.49@165.307,276.103
  Bottom Layer w0.254: v1(108.077,214.122) 108.077,214.448 109.812,216.183 109.812,217.352 110.828,218.368 110.828,220.683 v1(113.284,223.139) v1(110.998,223.139) v1@110.744,222.885 ; 118.618,209.931 P4.2@118.618,211.201 ; v1(132.207,230.886) 132.969,230.124 146.819,230.124 151.33,234.635 151.33,239.168 150.176,240.322 150.176,241.008 150.753,241.584 150.753,242.312 150.749,242.316 v1(150.876,242.316) ; v1(148.717,277.241) 141.797,270.321 141.135,270.321 140.754,269.94 139.865,269.94 139.381,269.456 139.381,268.77 139.711,268.44 139.711,268.213 142.009,268.213 142.382,268.586 152.779,268.586 159.42,261.945 159.42,252.257 158.242,251.079 v1(157.861,251.079) ; v1(152.273,287.274) 152.908,287.274 153.281,286.901 164.473,286.901 v1(164.846,287.274)
SWDIO: P4.1 R1.1 U3.46 | length 234.8
  Top Layer w0.254: v1(109.347,214.122) 109.993,213.476 113.803,213.476 P4.1@116.078,211.201 ; R1.1@115.875,217.449 116.016,217.591 116.016,220.534 114.808,221.742 v1(113.411,221.742) 113.157,221.742 111.887,223.012 111.887,224.155 112.649,224.917 127.889,224.917 129.837,222.969 131.318,222.969 133.021,221.267 133.021,217.506 136.278,214.249 140.582,214.249 140.601,214.23 149.086,214.23 149.105,214.249 166.59,214.249 167.49,215.149 168.552,215.149 169.452,214.249 172.693,214.249 173.647,215.203 174.425,215.203 175.518,214.11 175.526,214.11 175.641,213.995 175.641,212.344 v1(174.752,211.455) ; v1(166.624,280.416) 167.942,279.098 U3.46@167.942,277.876 ; v1(176.149,280.67) 176.317,280.838 192.226,280.838 193.582,282.194 v1(200.406,282.194)
  Bottom Layer w0.254: v1(109.347,214.122) 110.266,215.041 110.266,217.087 110.852,217.673 110.866,217.673 112.584,219.391 112.584,219.418 113.068,219.902 113.095,219.902 113.411,220.218 v1(113.411,221.742) ; v1(166.624,280.416) 175.641,280.416 175.768,280.543 175.895,280.416 v1(176.149,280.67) ; v1(174.752,211.455) 175.641,211.455 176.13,211.944 197.747,211.944 198.439,212.636 198.439,215.383 197.763,216.059 197.763,218.815 198.531,219.583 198.531,224.933 198.525,224.939 198.525,268.615 198.856,268.946 198.856,279.764 199.037,279.945 199.037,280.825 v1(200.406,282.194)
TCK: P12.1 R34.2 U1.159 U14.16 | length 229.6
  Top Layer w0.254: v1(98.425,270.256) 98.615,270.447 99.425,269.637 101.572,269.637 U1.159@101.595,269.614 ; v1(148.082,233.467) 148.676,233.467 150.876,231.267 150.876,230.051 151.127,229.8 151.948,229.8 152.532,229.216 156.11,229.216 157.015,228.311 158.349,228.311 158.803,227.857 160.701,227.857 161.028,227.53 162.672,227.53 162.872,227.33 164.592,227.33 167.119,229.857 166.864,230.112 166.864,230.797 167.948,231.881 167.948,232.891 166.891,233.948 166.504,233.948 165.535,234.917 165.535,235.143 v1@164.712,235.966 ; v1(164.211,240.919) 164.963,241.671 165.224,241.671 165.932,242.379 U14.16@167.64,242.379 168.846,242.379 170.053,243.586 v1(170.053,245.11) ; v1(164.719,235.966) v1@164.712,235.966 ; v1@164.712,235.966 164.585,236.093 164.458,235.966 v1@164.712,235.966
  Bottom Layer w0.254: v1(98.425,270.256) 98.425,269.813 98.333,269.813 97.848,269.329 97.848,268.643 102.416,264.076 102.416,245.534 100.838,243.956 100.838,240.892 101.573,240.157 135.309,240.157 137.214,238.252 137.214,233.111 138.598,231.727 142.218,231.727 R34.2@143.916,233.426 145.302,233.426 145.302,232.741 145.494,232.55 147.165,232.55 v1(148.082,233.467) ; v1(164.211,240.919) 164.084,240.792 164.084,236.601 v1(164.719,235.966) ; v1(170.053,245.11) 177.92,245.11 178.743,245.933 178.743,250.886 180.835,252.978 181.577,252.978 181.91,253.311 191.389,253.311 192.724,254.646 192.724,266.511 197.04,270.827 197.04,280.516 197.221,280.697 197.221,290.699 196.35,291.57 196.321,291.57 194.491,293.4 194.491,300.128 194.502,300.139 194.502,300.825 194.491,300.836 194.491,307.528 196.154,309.191 197.409,309.191 198.032,309.814 198.555,309.814 198.628,309.887 P12.1@198.628,311.277
TDI: P12.9 U11.4 U14.17 | length 122.1
  Top Layer w0.254: v1(155.067,247.904) v1(157.861,247.904) ; U14.17@165.84,244.179 165.84,245.215 166.116,245.491 166.878,245.491 167.513,244.856 v1(167.513,244.221) 168.656,245.364 v1(168.656,246.634)
  Bottom Layer w0.254: U11.4@143.119,245.747 143.252,245.88 143.252,247.241 144.683,248.672 150.208,248.672 150.222,248.658 154.313,248.658 v1(155.067,247.904) ; v1(157.861,247.904) 167.64,247.904 168.656,246.888 v1(168.656,246.634) ; v1(167.513,244.221) 168.488,244.221 169.334,243.375 178.111,243.375 180.105,245.369 180.105,250.322 181.399,251.616 182.141,251.616 182.474,251.949 191.953,251.949 194.086,254.082 194.086,265.46 198.402,269.776 198.402,279.952 198.583,280.133 198.583,291.383 197.034,292.932 196.886,292.932 195.853,293.965 195.853,299.564 195.864,299.575 195.864,300.766 196.215,301.117 P12.9@198.628,301.117
TDO: P12.3 U1.158 U14.18 | length 224.7
  Top Layer w0.254: v1(99.568,272.415) 99.568,270.517 99.971,270.114 U1.158@101.595,270.114 ; v1(164.084,242.125) 165.036,242.125 165.34,242.429 U14.18@165.34,244.179 165.34,245.985 165.862,246.507 v1(165.862,246.761)
  Bottom Layer w0.254: v1(99.568,272.415) 99.414,272.415 97.598,270.599 97.598,269.72 97.394,269.517 97.394,268.455 101.962,263.888 101.962,245.722 100.384,244.144 100.384,240.704 101.385,239.703 135.074,239.703 136.76,238.017 136.76,232.923 138.409,231.273 142.406,231.273 143.631,232.499 144.903,232.499 145.306,232.096 148.149,232.096 150.876,234.823 150.876,238.98 149.722,240.134 149.722,242.332 151.519,244.129 153.46,244.129 153.525,244.064 156.201,244.064 156.285,244.148 156.872,244.148 159.647,241.373 163.268,241.373 164.02,242.125 v1(164.084,242.125) ; v1(165.862,246.761) 167.232,246.761 169.71,244.283 170.396,244.283 170.769,244.656 178.108,244.656 179.197,245.745 179.197,250.698 181.023,252.524 181.765,252.524 182.098,252.857 191.577,252.857 193.178,254.458 193.178,266.323 197.494,270.639 197.494,280.328 197.675,280.509 197.675,290.887 196.538,292.024 196.51,292.024 194.945,293.589 194.945,299.94 194.956,299.951 194.956,301.013 194.945,301.024 194.945,307.34 196.342,308.737 P12.3@198.628,308.737
TMS: P12.5 R35.2 U1.160 U14.19 | length 210.4
  Top Layer w0.254: v1(98.675,268.986) 98.799,268.986 99.056,269.244 99.163,269.137 101.572,269.137 U1.160@101.595,269.114 ; v1(164.338,246.761) 164.338,246.38 164.84,245.878 U14.19@164.84,244.179
  Bottom Layer w0.254: v1(98.675,268.986) 102.87,264.791 102.87,241.173 134.593,241.173 134.658,241.108 135.344,241.108 135.409,241.173 135.77,241.173 138.122,238.821 138.122,234.569 144.9,234.569 145.227,234.242 145.564,234.242 R35.2@146.329,233.477 147.095,234.242 147.515,234.242 149.752,236.479 149.752,238.82 148.814,239.758 148.814,242.708 151.143,245.037 153.836,245.037 153.901,244.972 155.825,244.972 156.664,245.811 156.664,246.453 156.972,246.761 158.242,246.761 158.931,247.45 160.982,247.45 162.433,245.999 163.576,245.999 v1(164.338,246.761) 164.592,246.761 165.419,245.934 166.205,245.934 166.27,245.999 167.352,245.999 169.522,243.829 177.923,243.829 179.651,245.557 179.651,250.51 181.211,252.07 181.953,252.07 182.286,252.403 191.765,252.403 193.632,254.27 193.632,265.895 197.948,270.211 197.948,280.14 198.129,280.321 198.129,291.075 196.726,292.478 196.698,292.478 195.399,293.777 195.399,299.752 195.41,299.763 195.41,301.201 195.399,301.212 195.399,305.635 195.961,306.197 P12.5@198.628,306.197
TX_232: U1.9 U17.11 | length 207.8
  Top Layer w0.254: U1.9@108.285,242.411 108.285,238.608 92.508,222.831 90.998,222.831 90.544,222.377 89.916,222.377 89.746,222.207 88.773,222.207 88.054,221.488 88.054,209.768 88.834,208.988 125.669,208.988 127.37,210.689 127.37,211.986 127.381,211.997 127.381,213.306 129.583,215.508 129.583,217.17 130.302,217.889 131.318,217.889 132.491,216.716 132.491,214.6 133.785,213.306 167.459,213.306 v1(168.021,213.868) ; v1(185.293,246.126) 186.563,247.396 v1(187.706,247.396)
  Bottom Layer w0.254: v1(168.021,213.868) 170.561,213.868 171.123,213.306 193.868,213.306 196.401,215.839 196.401,219.379 197.169,220.147 197.169,224.368 197.163,224.374 197.163,241.361 194.109,244.415 193.642,244.415 193.185,244.872 193.185,245.339 191.128,247.396 v1(187.706,247.396) ; U17.11@183.769,249.815 183.769,247.396 185.039,246.126 v1(185.293,246.126)
TXD0(PA10): U3.43 U10.5 | length 156.1
  Top Layer w0.254: v1(89.916,279.273) 89.916,281.024 90.108,281.216 90.108,281.243 91.059,282.194 103.124,282.194 v1(103.251,282.067) ; v1(147.842,279.4) v1(147.842,287.514) ; v1(169.418,288.036) 169.483,287.971 169.483,280.962 169.418,280.897 169.418,278.138 169.444,278.112 U3.43@169.444,277.736
  Bottom Layer w0.254: U10.5@87.504,262.128 88.519,262.128 89.035,262.644 89.035,266.429 89.064,266.458 89.064,269.027 87.322,270.769 82.785,270.769 80.123,273.431 78.459,273.431 77.278,274.612 77.278,274.639 76.581,275.336 76.581,275.59 76.802,275.811 82.933,275.811 83.69,276.568 85.488,276.568 86.401,275.655 86.449,275.655 86.957,275.147 88.484,275.147 88.56,275.071 90.032,275.071 90.372,275.411 90.372,279.071 90.17,279.273 v1(89.916,279.273) ; v1(103.251,282.067) 105.952,282.067 109.185,278.834 109.185,273.231 109.328,273.088 131.572,273.088 133.258,274.774 136.452,274.774 139.308,271.918 140.84,271.918 148.082,279.16 v1(147.842,279.4) ; v1(147.842,287.514) 148.926,288.598 168.856,288.598 v1(169.418,288.036)
TXD_FT2232/MPSSE_TCK: U1.149 U14.38 | length 101.3
  Top Layer w0.254: v1(105.791,278.892) 105.791,278.638 107.785,276.644 U1.149@107.785,273.304 ; v1(135.509,273.431) 135.509,275.082 135.862,275.435 136.116,275.435 141.605,269.946 141.605,269.875 141.351,269.621 v1(141.478,269.494) ; U14.38@156.54,239.879 156.517,239.902 155.375,239.902 155.194,240.083 155.194,242.57 159.512,246.888 v1(159.512,249.555)
  Bottom Layer w0.254: v1(105.791,278.892) 105.791,278.638 107.823,276.606 107.823,271.726 133.804,271.726 v1(135.509,273.431) ; v1(141.478,269.494) 152.901,269.494 153.028,269.621 160.328,262.321 160.328,250.371 v1(159.512,249.555)
UB: U1.190 U13.40 | length 45.4
  Top Layer w0.254: U13.40@66.16,251.375 66.16,250.25 69.052,247.358 74.694,247.358 75.603,248.267 75.603,254.927 75.984,255.308 97.879,255.308 99.05,254.137 101.572,254.137 U1.190@101.595,254.114